# Altium PCB PCB_3U_SMA.PCBDOC (part 2 of 2) (continued)
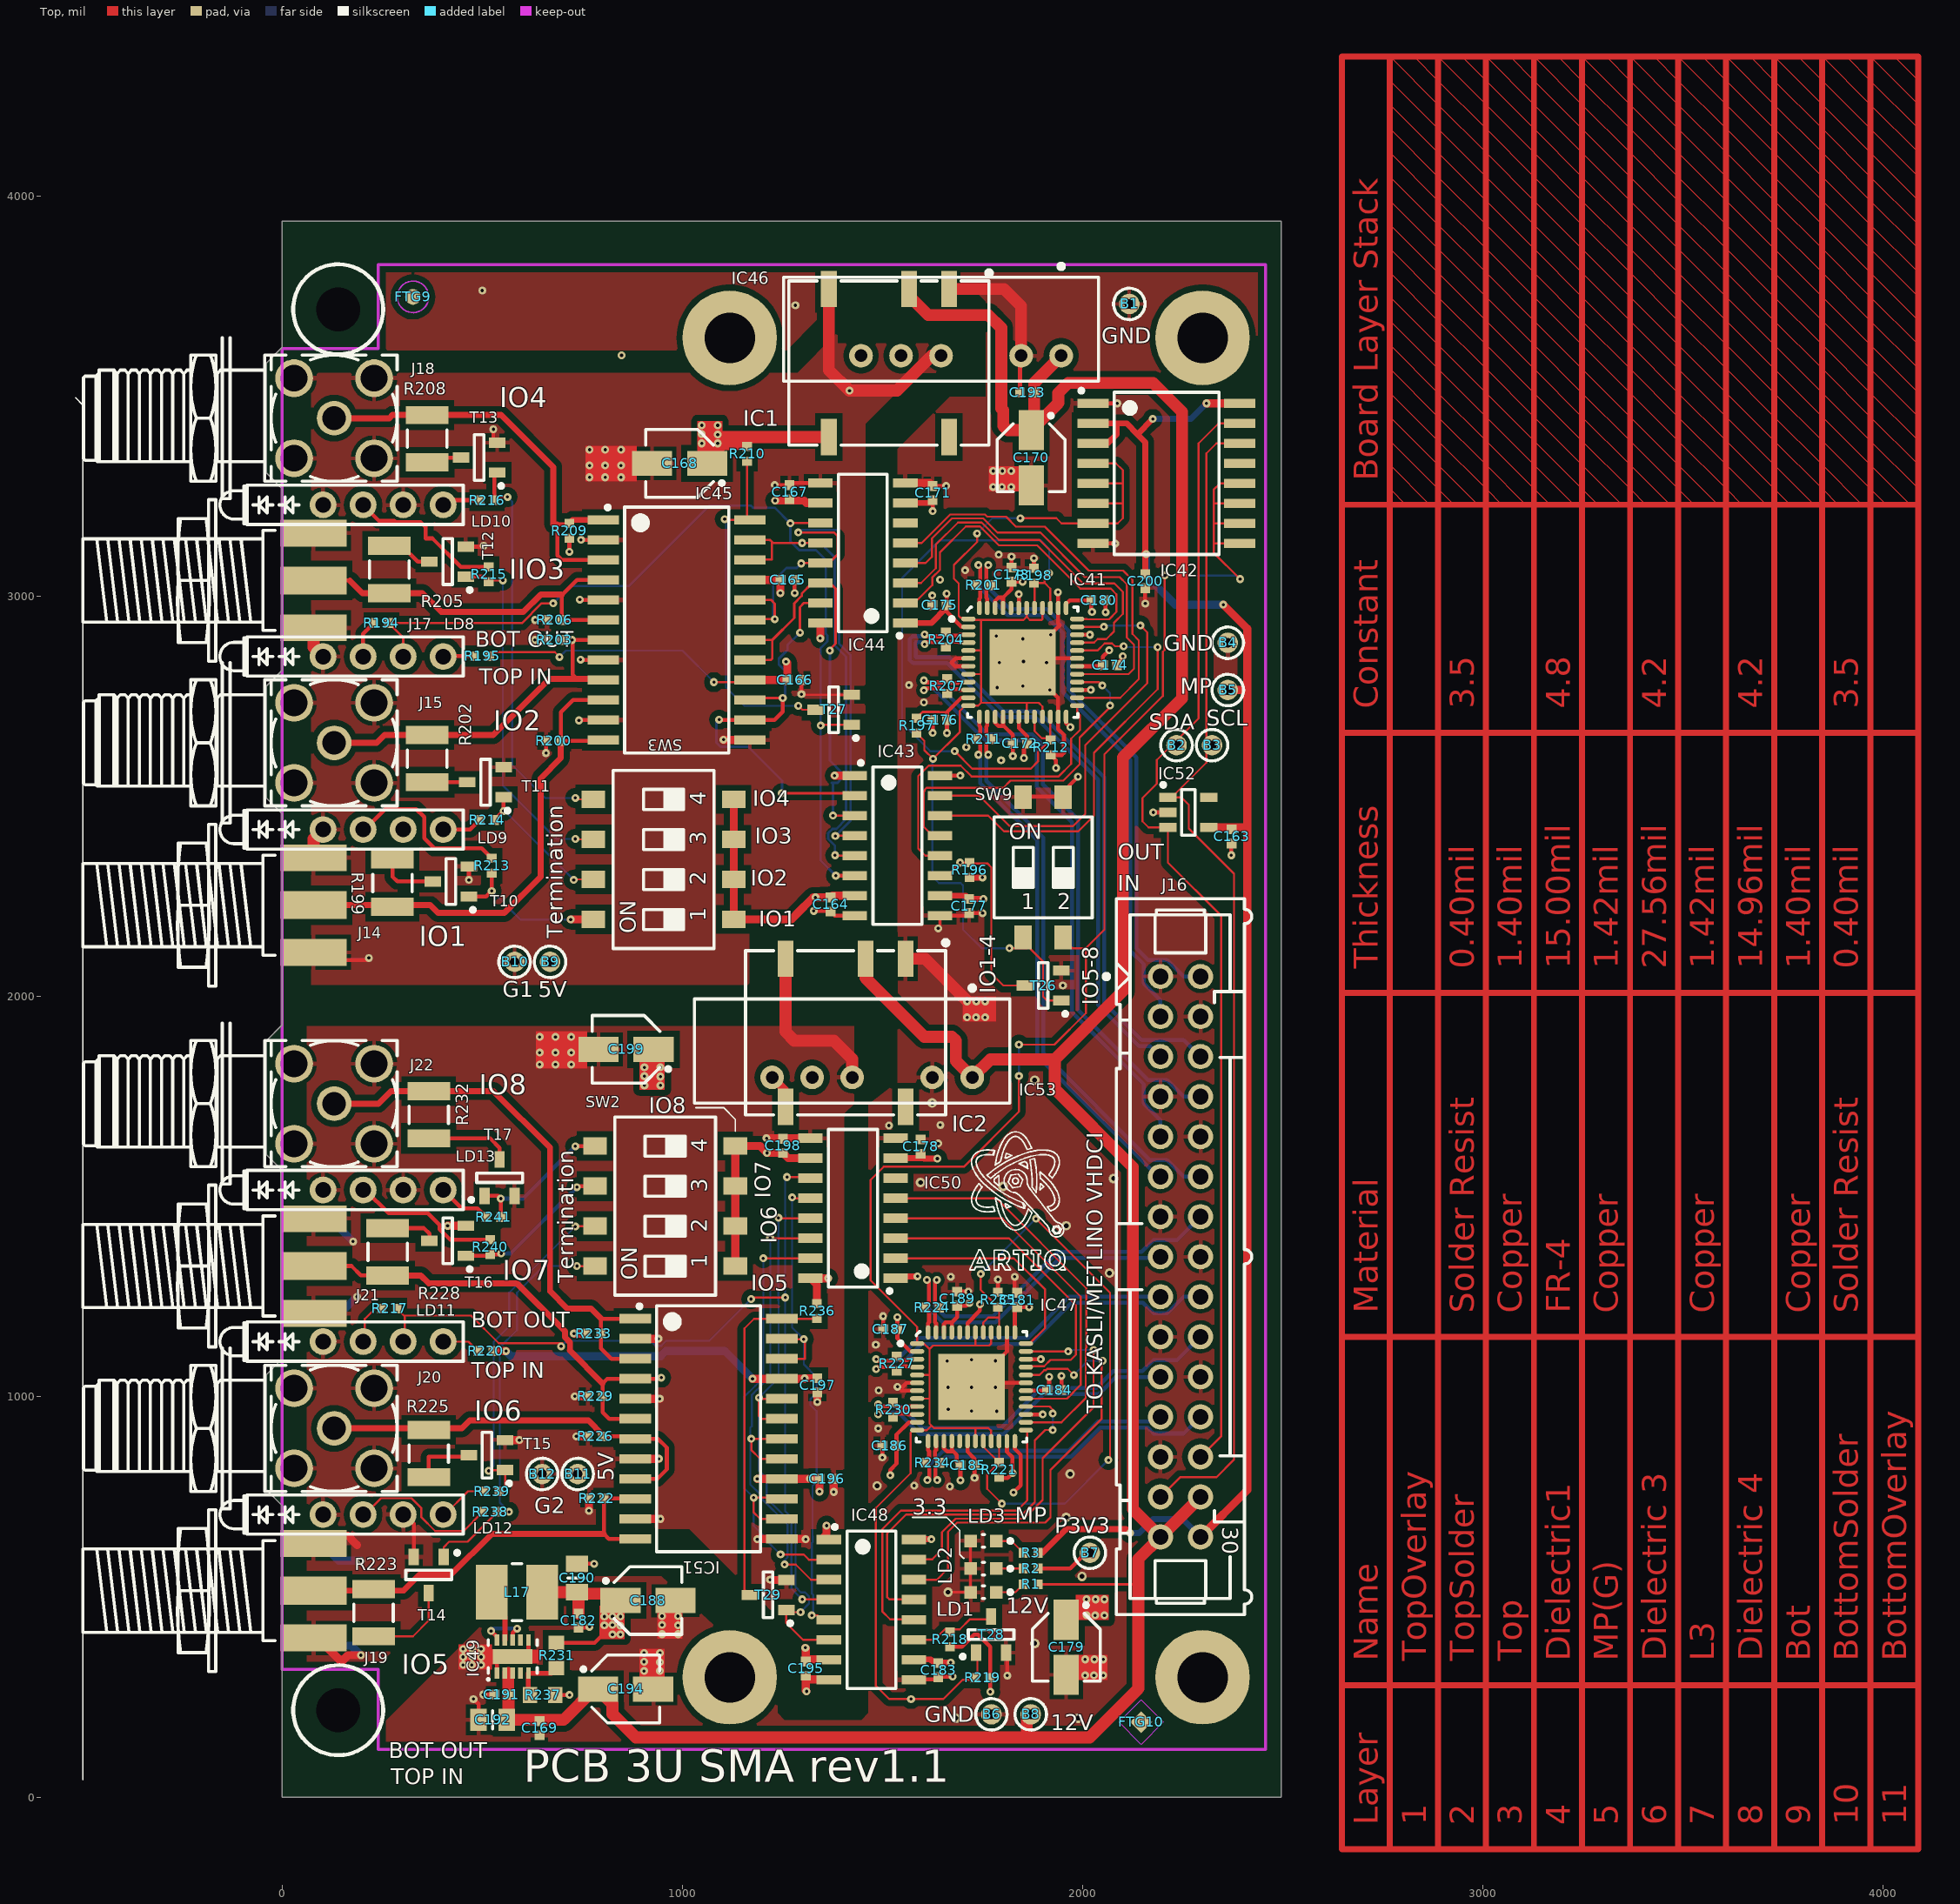
[diagram p0: Top view]
## Nets (pads, with @x,y where several pads share a name; then routed paths per layer and width w, separated by ;. In a path a pad name is that pad's centre, name@x,y a point inside that pad or via, vN(x,y) a via of type N, cw(c..) or ccw(c..) an arc to the next point about the centre after c; other vN are vias at no path point) (continued)
  Bot w15: v1(2118,659.45) 2141.23,659.45 2175.78,694 2250.01,694 J16.30@2294,650 ; v1(2175,3443) 2270,3443 v1(2309,3482)
  Bot w20: v1(2158,3105) 2158,3052 2231,2979 v1(2351,2979)
P5V0_ISO1: B9.1 C164.2 C165.2 C166.2 C167.2 C168.1 IC1.8 IC43.1 IC43.7 IC44.10 IC44.16 IC45.16 IC45.21 IC46.6 R195.1 R210.2 SW3.1 SW3.2 SW3.3 SW3.4 | length 2146.9
  Top w5: R195.1@518.5,2850.39 528.35,2860.24 681.1,2860.24 v1(692.91,2848.43) ; v1(1078.74,2785.43) 1163.18,2785.43 IC45.16@1168.59,2790.84
  Top w20: 1092.52,3366.14 1101.18,3374.8 R210.2@1161.42,3374.8 ; SW3.4@1127.95,2492.52 SW3.3@1127.95,2392.52 SW3.2@1127.95,2292.52 SW3.1@1127.95,2192.52 1272.05,2192.52 1283.59,2204.06 1283.59,2204.72 1326.58,2247.72 v1(1332.28,2247.72) C164.2@1370,2247.72 1374.28,2252 IC43.7@1430.7,2252 ; IC45.16@1164.6,2790.84 C166.2@1261.81,2790.84 1261.81,2833.56 v1(1258.53,2836.84) ; IC45.21@1166.6,3040.84 C165.2@1244.81,3040.84 1244.53,3040.56 v1(1244.53,3007.84) ; v1(1231.57,3239.15) 1303.57,3239.15 1309.57,3233.15 IC44.10@1344.28,3233.15 ; v1(1344.28,2894.85) IC44.16@1344.28,2933.15 ; v1(1380,2552) IC43.1@1430.7,2552
  Top w30: v1(1088,3382) 1103.64,3397.64 IC1.8@1365.75,3397.64
  L3 w5: v1(692.91,2848.43) v1@692.91,2850.3
  Bot w5: v1(692.91,2848.43) 708.66,2864.17 1000,2864.17 v1(1078.74,2785.43)
  other v1: 1048,3382 1088,3404 1048,3405 1048,3427 1088,3427
P5V0_ISO2: B11.1 C195.2 C196.2 C197.2 C198.2 C199.1 IC2.8 IC48.1 IC48.7 IC50.10 IC50.16 IC51.16 IC51.21 IC53.6 R220.1 R236.2 SW2.1 SW2.2 SW2.3 SW2.4 | length 1849.7
  Top w20: R220.1@526.38,1114.17 v1(559.06,1114.17) ; SW2.1@1131.89,1326.38 SW2.4@1131.89,1626.38 1194.19,1626.38 v1(1211.28,1609.28) C198.2@1251,1609.28 1264.28,1596 IC50.10@1319.7,1596 ; v1(1175,1045) IC51.21@1248.07,1045 1304,1045 v1(1305,1046) 1305.72,1046.72 C197.2@1337,1046.72 ; v1(1187,795) IC51.16@1248.07,795 v1(1318,795) ; IC53.6@1224,1798 1257.48,1764.52 IC2.8@1257.48,1724.41 ; v1(1307,373) 1308,372 C195.2@1308,344 ; C195.2@1308,338.72 C195.2@1308,344 ; v1@1322,795 C196.2@1342.28,795 v1(1342.28,763.28) ; R236.2@1336,1232.5 1336,1279.7 IC50.16@1319.7,1296 v1(1364,1296) ; IC48.7@1347.7,344 C195.2@1308,344 ; IC48.1@1347.7,644 1360,656.3 v1(1360,678)
  Bot w20: v1(559.06,1114.17) 572.09,1101.14 945.41,1101.14 958.45,1114.17 1105.83,1114.17 v1(1175,1045)
  other v1: 905,1778 945,1778 945,1800 905,1801 905,1823 945,1823
P12V0: B8.1 C169.2 C170.1 C191.2 C192.2 C193.2 C194.1 IC1.3 IC2.3 IC46.1 IC49.2 IC49.3 IC53.1 J16.28 J16.29 R1.2 | length 7713.5
  Top w6: R1.2@1888.58,531.5 1888.71,531.37 2129.03,531.37 2139,541.34
  Top w30: C192.2@555.43,193 C192.2@559.43,189 ; C191.2@565,257.28 565,310 ; C191.2@565.72,256 565.72,197.28 C192.2@561.43,193 703,193 784,274 825.1,232.9 825.1,207.9 884,149 1860.24,149 ; IC2.3@1457.48,2094.49 1457.48,2046.46 1604.33,1899.61 1673.23,1899.61 1683.07,1889.76 1683.07,1838.93 IC53.1@1724,1798 1769.1,1843.1 1930.1,1843.1 ; IC1.3@1565.75,3767.72 1565.75,3750.32 1613.62,3702.44 1764.25,3702.44 1796.47,3670.22 1796.47,3469.28 1801.18,3464.57 1801.18,3425.79 1812.07,3414.9 C170.1@1871,3414.9 C170.1@1878.72,3422.61 ; B8.1@1870.08,206.69 1860.24,196.85 1860.24,149 ; IC46.1@1946,3601 1878.72,3533.72 C193.2@1878.72,3509 C170.1@1878.72,3422.61 ; J16.28@2294,750 J16.29@2194,650 ; 1860.24,149 2017,149 2139,271 2139,541.34 2139,595 J16.29@2194,650 ; C170.1@1878.72,3422.61 1939,3482.9 1939,3508 1964,3533 2176,3533 2248,3461 2248,2745 2100,2597 2100,2013 1930.1,1843.1 ; 1930.1,1843.1 1930.1,1768.9 2125,1574 2125,719 J16.29@2194,650
TERM_IO1: R213.1 SW3.8 T10.1 | length 390.7
  Top w10: T10.1@466.54,2250 509.84,2250 v1(523.62,2263.78) R213.1@523.62,2308.27
  Top w20: v1(720.87,2192.52) SW3.8@777.56,2192.52
  Bot w5: v1(523.62,2263.78) 594.88,2192.52 v1(720.87,2192.52)
TERM_IO2: R214.1 SW3.7 T11.1 | length 362.9
  Top w5: v1(728.35,2291.34) 729.53,2292.52 SW3.7@777.56,2292.52
  Top w10: R214.1@530.31,2440.94 v1(553.15,2463.78) T11.1@553.15,2498.03
  Bot w5: v1(553.15,2463.78) 555.91,2463.78 v1(728.35,2291.34)
TERM_IO3: R215.1 SW3.6 T12.1 | length 893
  Top w5: R215.1@515.75,3036.61 518.5,3039.37 v1(551.18,3039.37) ; v1(732.28,2393.7) 733.46,2392.52 SW3.6@777.56,2392.52
  Top w10: T12.1@458.66,3049.21 503.15,3049.21 R215.1@515.75,3036.61
  Bot w5: v1(551.18,3039.37) 551.18,2527.56 685.04,2393.7 v1(732.28,2393.7)
TERM_IO4: R216.1 SW3.5 T13.1 | length 1020.4
  Top w5: R216.1@530.31,3240.16 538.19,3248.03 v1(562.99,3248.03) ; v1(732.28,2496.06) 735.83,2492.52 SW3.5@777.56,2492.52
  Top w10: R216.1@530.31,3240.16 530.31,3301.97 T13.1@537.4,3309.06
  Bot w5: v1(562.99,3248.03) 574.8,3236.22 574.8,2578.74 657.48,2496.06 v1(732.28,2496.06)
TERM_IO5: R238.1 SW2.8 T14.1 | length 1022.9
  Top w5: T14.1@403.54,600.39 403.54,624.02 417.32,637.8 463.39,637.8 R238.1@538.19,712.6 v1(566.93,712.6) ; v1(736.22,1326.77) 736.61,1326.38 SW2.8@781.5,1326.38
  Bot w5: v1(566.93,712.6) 543.7,735.83 543.7,1104.78 541.56,1106.92 541.56,1121.42 586.61,1166.48 586.61,1259.84 653.54,1326.77 v1(736.22,1326.77)
TERM_IO6: R239.1 SW2.7 T15.1 | length 851.1
  Top w5: v1(515.75,814.96) 517.72,816.93 T15.1@557.09,816.93 557.09,779.53 542.13,764.57 R239.1@542.13,763.78 ; v1(732.28,1425.2) 733.46,1426.38 SW2.7@781.5,1426.38
  Bot w5: v1(515.75,814.96) 528.54,827.75 528.54,1137.22 566.93,1175.61 566.93,1259.84 v1(732.28,1425.2)
TERM_IO7: R240.1 SW2.6 T16.1 | length 394.9
  Top w10: T16.1@458.66,1352.36 516.54,1352.36 R240.1@519.69,1355.51 544.49,1355.51 v1(547.24,1358.27) ; v1(736.22,1523.62) 738.98,1526.38 SW2.6@781.5,1526.38
  Bot w10: v1(547.24,1358.27) 570.87,1358.27 v1(736.22,1523.62)
TERM_IO8: R241.1 SW2.5 T17.1 | length 379.1
  Top w10: T17.1@505.91,1501.97 539.37,1501.97 v1(546.06,1495.27) R241.1@546.06,1448.82 ; v1(732.28,1625.98) 732.68,1626.38 SW2.5@781.5,1626.38
  Bot w10: v1(546.06,1495.27) 601.57,1495.27 v1(732.28,1625.98)
pads on no net: FTG9.FTG2 FTG10.1 FTG11.1 FTG12.1 IC1.14 IC2.14 IC41.17 IC41.44 IC42.13 IC46.5 IC47.17 IC47.44 IC49.4 IC49.7 IC52.5 IC53.5
copper on no net: | length 103141.1
  Top w1: 2766.99,3268.53 2806.67,3228.84 ; 2766.99,3328.53 2866.67,3228.84 ; 2766.99,3388.53 2886.99,3268.53 2926.67,3228.84 ; 2766.99,3448.53 2886.99,3328.53 2986.67,3228.84 ; 2766.99,3508.53 2886.99,3388.53 3006.99,3268.53 3046.67,3228.84 ; 2766.99,3568.53 2886.99,3448.53 3006.99,3328.53 3106.67,3228.84 ; 2766.99,3628.53 2886.99,3508.53 3006.99,3388.53 3126.99,3268.53 3166.67,3228.84 ; 2766.99,3688.53 2886.99,3568.53 3006.99,3448.53 3126.99,3328.53 3226.67,3228.84 ; 2766.99,3748.53 2886.99,3628.53 3006.99,3508.53 3126.99,3388.53 3246.99,3268.53 3286.67,3228.84 ; 2766.99,3808.53 2886.99,3688.53 3006.99,3568.53 3126.99,3448.53 3246.99,3328.53 3346.67,3228.84 ; 2766.99,3868.53 2886.99,3748.53 3006.99,3628.53 3126.99,3508.53 3246.99,3388.53 3366.99,3268.53 3406.67,3228.84 ; 2766.99,3928.53 2886.99,3808.53 3006.99,3688.53 3126.99,3568.53 3246.99,3448.53 3366.99,3328.53 3466.67,3228.84 ; 2766.99,3988.53 2886.99,3868.53 3006.99,3748.53 3126.99,3628.53 3246.99,3508.53 3366.99,3388.53 3486.99,3268.53 3526.67,3228.84 ; 2766.99,4048.53 2886.99,3928.53 3006.99,3808.53 3126.99,3688.53 3246.99,3568.53 3366.99,3448.53 3486.99,3328.53 3586.67,3228.84 ; 2766.99,4108.53 2886.99,3988.53 3006.99,3868.53 3126.99,3748.53 3246.99,3628.53 3366.99,3508.53 3486.99,3388.53 3606.99,3268.53 3646.67,3228.84 ; 2766.99,4168.53 2886.99,4048.53 3006.99,3928.53 3126.99,3808.53 3246.99,3688.53 3366.99,3568.53 3486.99,3448.53 3606.99,3328.53 3706.67,3228.84 ; 2766.99,4228.53 2886.99,4108.53 3006.99,3988.53 3126.99,3868.53 3246.99,3748.53 3366.99,3628.53 3486.99,3508.53 3606.99,3388.53 3726.99,3268.53 3766.67,3228.84 ; 2766.99,4288.53 2886.99,4168.53 3006.99,4048.53 3126.99,3928.53 3246.99,3808.53 3366.99,3688.53 3486.99,3568.53 3606.99,3448.53 3726.99,3328.53 3826.67,3228.84 ; 2766.99,4348.53 2886.99,4228.53 3006.99,4108.53 3126.99,3988.53 3246.99,3868.53 3366.99,3748.53 3486.99,3628.53 3606.99,3508.53 3726.99,3388.53 3846.99,3268.53 3886.67,3228.84 ; 2826.99,4348.53 2886.99,4288.53 3006.99,4168.53 3126.99,4048.53 3246.99,3928.53 3366.99,3808.53 3486.99,3688.53 3606.99,3568.53 3726.99,3448.53 3846.99,3328.53 3946.67,3228.84 ; 2886.99,4348.53 3006.99,4228.53 3126.99,4108.53 3246.99,3988.53 3366.99,3868.53 3486.99,3748.53 3606.99,3628.53 3726.99,3508.53 3846.99,3388.53 3966.99,3268.53 4006.67,3228.84 ; 2946.99,4348.53 3006.99,4288.53 3126.99,4168.53 3246.99,4048.53 3366.99,3928.53 3486.99,3808.53 3606.99,3688.53 3726.99,3568.53 3846.99,3448.53 3966.99,3328.53 4066.67,3228.84 ; 3006.99,4348.53 3126.99,4228.53 3246.99,4108.53 3366.99,3988.53 3486.99,3868.53 3606.99,3748.53 3726.99,3628.53 3846.99,3508.53 3966.99,3388.53 4086.99,3268.53 ; 3066.99,4348.53 3126.99,4288.53 3246.99,4168.53 3366.99,4048.53 3486.99,3928.53 3606.99,3808.53 3726.99,3688.53 3846.99,3568.53 3966.99,3448.53 4086.99,3328.53 ; 3126.99,4348.53 3246.99,4228.53 3366.99,4108.53 3486.99,3988.53 3606.99,3868.53 3726.99,3748.53 3846.99,3628.53 3966.99,3508.53 4086.99,3388.53 ; 3186.99,4348.53 3246.99,4288.53 3366.99,4168.53 3486.99,4048.53 3606.99,3928.53 3726.99,3808.53 3846.99,3688.53 3966.99,3568.53 4086.99,3448.53 ; 3246.99,4348.53 3366.99,4228.53 3486.99,4108.53 3606.99,3988.53 3726.99,3868.53 3846.99,3748.53 3966.99,3628.53 4086.99,3508.53 ; 3306.99,4348.53 3366.99,4288.53 3486.99,4168.53 3606.99,4048.53 3726.99,3928.53 3846.99,3808.53 3966.99,3688.53 4086.99,3568.53 ; 3366.99,4348.53 3486.99,4228.53 3606.99,4108.53 3726.99,3988.53 3846.99,3868.53 3966.99,3748.53 4086.99,3628.53 ; 3426.99,4348.53 3486.99,4288.53 3606.99,4168.53 3726.99,4048.53 3846.99,3928.53 3966.99,3808.53 4086.99,3688.53 ; 3486.99,4348.53 3606.99,4228.53 3726.99,4108.53 3846.99,3988.53 3966.99,3868.53 4086.99,3748.53 ; 3546.99,4348.53 3606.99,4288.53 3726.99,4168.53 3846.99,4048.53 3966.99,3928.53 4086.99,3808.53 ; 3606.99,4348.53 3726.99,4228.53 3846.99,4108.53 3966.99,3988.53 4086.99,3868.53 ; 3666.99,4348.53 3726.99,4288.53 3846.99,4168.53 3966.99,4048.53 4086.99,3928.53 ; 3726.99,4348.53 3846.99,4228.53 3966.99,4108.53 4086.99,3988.53 ; 3786.99,4348.53 3846.99,4288.53 3966.99,4168.53 4086.99,4048.53 ; 3846.99,4348.53 3966.99,4228.53 4086.99,4108.53 ; 3906.99,4348.53 3966.99,4288.53 4086.99,4168.53 ; 3966.99,4348.53 4086.99,4228.53 ; 4026.99,4348.53 4086.99,4288.53
  Top w15: 2646.99,279.62 4086.99,279.62 ; 2646.99,1149.38 4086.99,1149.38 ; 2646.99,2009.15 4086.99,2009.15 ; 2646.99,2658.98 4086.99,2658.98 ; 2646.99,3228.84 4086.99,3228.84 ; 2766.99,-130.3 2766.99,4348.53 ; 2886.99,-130.3 2886.99,279.62 2886.99,1149.38 2886.99,2009.15 2886.99,2658.98 2886.99,3228.84 2886.99,4348.53 ; 3006.99,-130.3 3006.99,279.62 3006.99,1149.38 3006.99,2009.15 3006.99,2658.98 3006.99,3228.84 3006.99,4348.53 ; 3126.99,-130.3 3126.99,279.62 3126.99,1149.38 3126.99,2009.15 3126.99,2658.98 3126.99,3228.84 3126.99,4348.53 ; 3246.99,-130.3 3246.99,279.62 3246.99,1149.38 3246.99,2009.15 3246.99,2658.98 3246.99,3228.84 3246.99,4348.53 ; 3366.99,-130.3 3366.99,279.62 3366.99,1149.38 3366.99,2009.15 3366.99,2658.98 3366.99,3228.84 3366.99,4348.53 ; 3486.99,-130.3 3486.99,279.62 3486.99,1149.38 3486.99,2009.15 3486.99,2658.98 3486.99,3228.84 3486.99,4348.53 ; 3606.99,-130.3 3606.99,279.62 3606.99,1149.38 3606.99,2009.15 3606.99,2658.98 3606.99,3228.84 3606.99,4348.53 ; 3726.99,-130.3 3726.99,279.62 3726.99,1149.38 3726.99,2009.15 3726.99,2658.98 3726.99,3228.84 3726.99,4348.53 ; 3846.99,-130.3 3846.99,279.62 3846.99,1149.38 3846.99,2009.15 3846.99,2658.98 3846.99,3228.84 3846.99,4348.53 ; 3966.99,-130.3 3966.99,279.62 3966.99,1149.38 3966.99,2009.15 3966.99,2658.98 3966.99,3228.84 3966.99,4348.53 ; 4086.99,279.62 4086.99,1149.38 ; 4086.99,279.62 4086.99,-130.3 2646.99,-130.3 2646.99,4348.53 4086.99,4348.53 4086.99,3228.84 ; 4086.99,1149.38 4086.99,2009.15 ; 4086.99,2009.15 4086.99,2658.98 ; 4086.99,2658.98 4086.99,3228.84

## Polygon pours and split planes (outlines as drawn)
GND_ISO2 on Top "MidLayer1-No Net" (solid, remove dead copper, pour order 10): 61.8,1926.23 1428.52,1926.23 1428.52,1731.95 1403.8,1707.23 1403.8,254.23 1295.8,254.23 1295.8,391.23 1016.8,670.23 581.65,670.23 187.01,275.59 61.8,275.59
GND_ISO1 on Top "TopLayer-No Net" (solid, remove dead copper, pour order 18): 291,3558 1287,3558 1431,3702 1698,3702 1698,3558 1584,3558 1456.69,3430.69 1456.69,2029 73,2029 73,3340 73,3558
GND on Top "MidLayer1-No Net" (solid, remove dead copper, pour order 14): 1537,1987 1537,3367.71 1667.29,3498 1758,3498 1758,3818 2456.69,3818 2456.69,119 240,119 240,171.1 676.9,608 688.98,608 695.88,551.18 947.2,551.18 1237,281.96 1237,210 1255,192 1447,192 1465,210 1465,1730 1537,1785.99
GND on Top "TopLayer-No Net" (solid, remove dead copper, pour order 26): 1407,3762 1260,3615 245,3615 245,3815 1793,3815 1793,3717 1758,3717 1758,3736 1732,3762
P5V0_ISO2 on L3 "L3-No Net" (solid, remove dead copper, pour order 36): 1456.69,1929.13 1456.69,1751.97 1427.17,1722.44 1397.64,1692.91 1397.64,1604.33 1397.64,255.91 1299.21,255.91 1299.21,383.86 1250,433.07 1013.78,669.29 748.03,669.29 561.02,669.29 423.23,531.5 157.48,265.75 0,265.75 0,728.35 -39.37,767.72 -43.31,767.72 -43.31,1049.21 -39.37,1053.15 -3.74,1088.78 -3.74,1092.52 -3.74,1568.7 -29.53,1594.49 -43.31,1608.27 -43.31,1889.76 -39.37,1889.76 0,1929.13 1456.69,1929.13
P5V0_ISO1 on L3 "L3-No Net" (solid, remove dead copper, pour order 34): 1446.85,3425.2 1446.85,2027.56 669.29,2027.56 0,2027.56 -3.74,2031.3 -3.74,2391.73 -3.74,2464.37 -39.37,2500 -39.37,2775.59 -39.37,2785.43 0,2824.8 0,3267.72 0,3268.7 -43.31,3312.01 -43.31,3582.68 -39.37,3582.68 0,3622.05 177.17,3622.05 216.54,3622.05 255.91,3582.68 275.59,3562.99 413.39,3562.99 570.87,3562.99 669.29,3464.57 697.53,3436.33 856.3,3436.33 1202.08,3436.33 1289.37,3523.62 1466.54,3700.79 1515.75,3700.79 1692.91,3700.79 1692.91,3553.15 1574.8,3553.15
P3V3 on L3 "L3-No Net" (solid, remove dead copper, pour order 28): 3.09,3643.88 604.42,3643.88 706.78,3541.52 746.15,3502.15 1066.08,3502.15 1144.82,3502.15 1381.04,3738.37 1400.73,3758.06 1636.95,3758.06 1735.37,3758.06 1755.06,3738.37 1755.06,3600.58 1755.06,3521.84 1735.37,3502.15 1676.32,3502.15 1617.26,3502.15 1577.89,3462.78 1538.52,3423.41 1538.52,3364.36 1538.52,1750.18 1499.15,1710.81 1479.47,1691.13 1479.47,1592.7 1479.47,214.75 1459.78,195.07 1420.41,195.07 1282.62,195.07 1262.93,214.75 1223.56,254.12 1223.56,273.81 1223.56,391.92 1125.14,490.34 1007.03,608.45 888.92,608.45 605.45,608.45 566.08,569.08 192.07,195.07 3.09,195.07 3.09,-1.78 2503.09,-1.78 2503.09,3935.22 3.09,3935.22
GND_ISO1 on Bot "TopLayer-No Net" (solid, remove dead copper, pour order 40): 315.92,3559.71 1311.92,3559.71 1455.92,3703.71 1722.92,3703.71 1722.92,3559.71 1608.92,3559.71 1476.38,3427.16 1476.38,2030.71 97.92,2030.71 97.92,3341.71 97.92,3559.71
GND_ISO2 on Bot "MidLayer1-No Net" (solid, remove dead copper, pour order 38): 86.72,1927.94 1453.45,1927.94 1453.45,1733.66 1428.72,1708.94 1428.72,255.94 1320.72,255.94 1320.72,392.94 1041.72,671.94 606.57,671.94 211.93,277.3 86.72,277.3
GND on Bot "MidLayer1-No Net" (solid, remove dead copper, pour order 42): 1561.92,1988.71 1561.92,3427.71 1633.92,3499.71 1782.92,3499.71 1782.92,3819.71 2481.62,3819.71 2481.62,120.71 264.92,120.71 264.92,172.81 701.82,609.71 713.9,609.71 720.81,552.89 972.12,552.89 1261.92,283.67 1261.92,211.71 1279.92,193.71 1471.92,193.71 1489.92,211.71 1489.92,1731.71 1561.92,1787.7
no net on Bot "TopLayer-No Net" (solid, remove dead copper, pour order 44): 1431.92,3763.71 1284.92,3616.71 269.92,3616.71 269.92,3816.71 1817.92,3816.71 1817.92,3718.71 1782.92,3718.71 1782.92,3737.71 1756.92,3763.71
GND_ISO1 on MP(G) (split plane): 1698.38,3557.62 1628.4,3557.62 1628.39,3557.62 1623.76,3557.25 1619.24,3556.17 1617.98,3555.65 1614.95,3554.39 1610.98,3551.96 1607.45,3548.94 1425.91,3367.4 1422.89,3363.87 1420.46,3359.9 1419.2,3356.87 1418.68,3355.61 1417.6,3351.09 1417.23,3346.46 1417.23,2826.99 1417.6,2822.36 1418.68,2817.84 1419.2,2816.58 1420.46,2813.55 1422.89,2809.58 1425.91,2806.05 1477.38,2754.57 1477.38,2028.62 20.1,2028.62 20.1,2456.69 19.71,2460.61 18.57,2464.38 16.71,2467.86 14.21,2470.9 -19.27,2504.39 -19.27,2767.27 14.21,2800.75 16.71,2803.8 18.57,2807.27 19.71,2811.04 20.1,2814.96 20.1,3268.7 19.71,3272.62 18.57,3276.39 16.71,3279.87 14.21,3282.91 -19.27,3316.4 -19.27,3574.35 14.21,3607.84 16.71,3610.88 18.57,3614.36 19.08,3616.05 589.06,3616.05 731.06,3474.06 734.59,3471.04 736.1,3470.12 738.55,3468.61 741.59,3467.35 742.85,3466.83 743.72,3466.62 747.37,3465.75 752,3465.38 1182,3465.38 1186.63,3465.75 1191.15,3466.83 1192.41,3467.35 1195.45,3468.61 1199.41,3471.04 1202.94,3474.06 1431.27,3702.38 1698.38,3702.38
GND on MP(G) (split plane): 2475.97,20.1 20.1,20.1 20.1,206.6 196.85,206.6 201.48,206.97 206,208.05 207.26,208.57 210.3,209.83 214.26,212.26 217.79,215.28 493.38,490.87 496.4,494.4 498.83,498.36 499.72,500.51 500.61,502.66 501.69,507.18 502.06,511.81 502.06,519.23 591.21,608.38 993.73,608.38 1237.38,364.73 1237.38,222 1237.75,217.37 1238.83,212.85 1240.61,208.55 1243.04,204.59 1246.06,201.06 1249.59,198.04 1253.55,195.61 1257.85,193.83 1262.37,192.75 1267,192.38 1435,192.38 1439.63,192.75 1444.15,193.83 1448.45,195.61 1452.41,198.04 1455.94,201.06 1458.96,204.59 1461.39,208.55 1463.17,212.85 1464.25,217.37 1464.62,222 1464.62,714.08 1464.62,1324.31 1464.62,1681.73 1507.16,1724.28 1510.18,1727.81 1512.61,1731.77 1513.5,1733.92 1514.39,1736.07 1515.47,1740.59 1515.84,1745.22 1515.84,1954 1515.47,1958.63 1514.39,1963.15 1512.61,1967.45 1511.22,1969.71 1511.63,1969.75 1516.15,1970.83 1520.45,1972.61 1524.41,1975.04 1527.94,1978.06 1530.96,1981.59 1533.39,1985.55 1535.17,1989.85 1536.25,1994.37 1536.62,1999 1536.62,2766.84 1536.25,2771.48 1535.38,2775.12 1535.17,2776 1534.65,2777.25 1533.39,2780.29 1531.88,2782.75 1530.96,2784.25 1527.94,2787.79 1476.47,2839.26 1476.47,3334.19 1640.66,3498.38 1728,3498.38 1732.63,3498.75 1737.15,3499.83 1741.45,3501.61 1745.41,3504.04 1748.94,3507.06 1751.96,3510.59 1754.39,3514.55 1756.17,3518.85 1757.25,3523.37 1757.62,3528 1757.62,3724 1757.25,3728.63 1756.17,3733.15 1754.39,3737.45 1751.96,3741.41 1748.94,3744.94 1745.41,3747.96 1744.51,3748.51 1743.96,3749.41 1740.94,3752.94 1737.41,3755.96 1733.45,3758.39 1729.15,3760.17 1724.63,3761.25 1720,3761.62 1419,3761.62 1414.37,3761.25 1409.85,3760.17 1407.7,3759.28 1405.55,3758.39 1401.59,3755.96 1398.06,3752.94 1169.73,3524.62 764.27,3524.62 622.27,3666.61 618.74,3669.63 614.78,3672.06 611.74,3673.32 610.48,3673.84 605.96,3674.92 601.33,3675.29 20.1,3675.29 20.1,3916.9 2475.97,3916.9
GND_ISO2 on MP(G) (split plane): 1456.6,1757.49 1414.06,1714.94 1411.04,1711.41 1408.61,1707.45 1407.35,1704.41 1406.83,1703.15 1405.75,1698.63 1405.38,1694 1405.38,1324.31 1405.38,714.08 1405.38,251.62 1296.62,251.62 1296.62,377 1296.25,381.63 1295.17,386.15 1293.39,390.45 1290.96,394.41 1287.94,397.94 1026.94,658.94 1023.41,661.96 1019.45,664.39 1016.41,665.65 1015.15,666.17 1010.63,667.25 1006,667.62 578.95,667.62 578.94,667.62 574.31,667.25 569.79,666.17 568.53,665.65 565.5,664.39 561.54,661.96 558,658.94 451.5,552.44 448.48,548.91 446.05,544.94 444.79,541.91 444.27,540.65 443.19,536.13 442.82,531.5 442.82,531.49 442.82,524.08 184.58,265.84 20.1,265.84 20.1,728.35 19.71,732.27 18.57,736.04 16.71,739.51 14.21,742.56 -19.27,776.04 -19.27,1046.79 10.47,1076.54 12.97,1079.58 14.83,1083.06 15.97,1086.83 16.36,1090.75 16.36,1569.48 15.97,1573.4 14.83,1577.17 12.97,1580.64 10.47,1583.69 -19.27,1613.43 -19.27,1881.44 14.21,1914.92 16.71,1917.97 18.57,1921.44 19.46,1924.38 1456.6,1924.38

## Keep-outs
KeepOutLayer:
  lines w8: 0,319 240,319 240,119 2456.69,119 2456.69,3828.74 240,3828.74 240,3619 0,3619 0,319

## Other copper
Top:
  rectangle net GND: 603,334 641,368
  region net GND: 524,382 441,382 441,319 524,319
  rectangle net GND: 496,332 536,370
  region net P5V0_ISO2: 893,1850 893,1767 956,1767 956,1850
  region net P5V0_ISO1: 1100,3355 1100,3438 1037,3438 1037,3355
  region net GND: 1848,3325 1765,3325 1765,3262 1848,3262
  region net GND: 1783,2000 1700,2000 1700,1937 1783,1937
  rectangle net GND: 1979,292 2062,355
  rectangle net P3V3: 1982,442 2065,505
  region net P3V3: 793,478 793,395 856,395 856,478
  region net GND: 956,288 956,371 893,371 893,288
  region net GND: 937,479 937,396 1000,396 1000,479
  rectangle net GND_ISO2: 633.61,1820.43 761.57,1913
  rectangle net GND_ISO1: 757.87,3287.4 885.83,3375.98
  pour cut-out: 1712.6,3631.89 1387.8,3631.89 1387.8,3710.63 1712.6,3710.63
  pour cut-out: 1167.32,2031.5 1167.32,2171.26 1200.79,2204.72 1203.51,2202 1497.14,2202 1538.52,2160.61 1538.52,1981.68 1495.82,1938.98 1181.1,1938.98 1181.1,2017.72
  text "Board Layer Stack" at 2736.99,3288.84 h60 r90
  text "Constant" at 2736.99,2718.98 h60 r90
  text "3.5" at 2976.99,2718.98 h60 r90
  text "4.8" at 3216.99,2718.98 h60 r90
  text "4.2" at 3456.99,2718.98 h60 r90
  text "4.2" at 3696.99,2718.98 h60 r90
  text "3.5" at 3936.99,2718.98 h60 r90
  text "Thickness" at 2736.99,2069.15 h60 r90
  text "0.40mil" at 2976.99,2069.15 h60 r90
  text "1.40mil" at 3096.99,2069.15 h60 r90
  text "15.00mil" at 3216.99,2069.15 h60 r90
  text "1.42mil" at 3336.99,2069.15 h60 r90
  text "27.56mil" at 3456.99,2069.15 h60 r90
  text "1.42mil" at 3576.99,2069.15 h60 r90
  text "14.96mil" at 3696.99,2069.15 h60 r90
  text "1.40mil" at 3816.99,2069.15 h60 r90
  text "0.40mil" at 3936.99,2069.15 h60 r90
  text "Material" at 2736.99,1209.38 h60 r90
  text "Solder Resist" at 2976.99,1209.38 h60 r90
  text "Copper" at 3096.99,1209.38 h60 r90
  text "FR-4" at 3216.99,1209.38 h60 r90
  text "Copper" at 3336.99,1209.38 h60 r90
  text "Copper" at 3576.99,1209.38 h60 r90
  text "Copper" at 3816.99,1209.38 h60 r90
  text "Solder Resist" at 3936.99,1209.38 h60 r90
  text "Name" at 2736.99,339.62 h60 r90
  text "TopOverlay" at 2856.99,339.62 h60 r90
  text "TopSolder" at 2976.99,339.62 h60 r90
  text "Top" at 3096.99,339.62 h60 r90
  text "Dielectric1" at 3216.99,339.62 h60 r90
  text "MP(G)" at 3336.99,339.62 h60 r90
  text "Dielectric 3" at 3456.99,339.62 h60 r90
  text "L3" at 3576.99,339.62 h60 r90
  text "Dielectric 4" at 3696.99,339.62 h60 r90
  text "Bot" at 3816.99,339.62 h60 r90
  text "BottomSolder" at 3936.99,339.62 h60 r90
  text "BottomOverlay" at 4056.99,339.62 h60 r90
  text "Layer" at 2736.99,-70.3 h60 r90
  text "1" at 2856.99,-70.3 h60 r90
  text "2" at 2976.99,-70.3 h60 r90
  text "3" at 3096.99,-70.3 h60 r90
  text "4" at 3216.99,-70.3 h60 r90
  text "5" at 3336.99,-70.3 h60 r90
  text "6" at 3456.99,-70.3 h60 r90
  text "7" at 3576.99,-70.3 h60 r90
  text "8" at 3696.99,-70.3 h60 r90
  text "9" at 3816.99,-70.3 h60 r90
  text "10" at 3936.99,-70.3 h60 r90
  text "11" at 4056.99,-70.3 h60 r90
MP(G) (plane layer: these items are gaps in the copper):
  lines w59.06: -11.81,236.22 196.85,236.22 472.44,511.81 472.44,531.5 578.94,638 1006,638 1267,377 1267,222 1435,222 1435,714.08 1435,1324.31 1435,1694 1486.22,1745.22 1486.22,1954 -11.81,1954 ; -11.81,1999 434,1999 1507,1999 1507,2766.84 1446.85,2826.99 1446.85,3346.46 1628.39,3528 1728,3528 1728,3724 ; -11.81,3645.67 601.33,3645.67 752,3495 1182,3495 1419,3732 1720,3732

## Silkscreen, mask and mechanical layers (free items; w line width, h text height)
TopOverlay:
  drawing of 1227 lines, arcs and shapes, not listed
  text "GND" at 2047.24,3631.89 h39.37
  text "IO4" at 543.31,3472.44 h50
  text "IIO3" at 566.93,3043.31 h50
  text "BOT OUT" at 482.28,2874.02 h40
  text "GND" at 2202.17,2863.65 h39.37
  text "TOP IN" at 492.13,2779.53 h40
  text "MP" at 2244.09,2755.91 h39.37
  text "SCL" at 2309,2677.17 h39.37
  text "SDA" at 2165.35,2667.32 h39.37
  text "IO2" at 527.56,2665.35 h50
  text "IO4" at 1176,2476 h40
  text "IO3" at 1181,2382 h40
  text "OUT" at 2086.61,2342.52 h40
  text "IO2" at 1170,2277 h40
  text "IN" at 2086.61,2263.78 h40
  text "IO1" at 1190.94,2175.2 h40
  text "Termination" at 700.79,2145.67 h40 r90
  text "IO1" at 342.52,2125.98 h50
  text "IO1-4" at 1781.5,2007.87 h40 r90
  text "G1" at 551.18,1999 h39.37
  text "5V" at 639.76,1999 h39.37
  text "IO5-8" at 2038.13,1978.66 h40 r90
  text "IO8" at 492.13,1755.91 h50
  text "IO8" at 915.35,1708.66 h40
  text "IO7" at 1220.47,1496.06 h40 r90
  text "IO6" at 1235,1383 h40 r90
  text "IO7" at 551.18,1291.34 h50
  text "Termination" at 728.35,1283.46 h40 r90
  text "IO5" at 1171,1265 h40
  text "BOT OUT" at 472.44,1173.23 h40
  text "TOP IN" at 472.44,1047.24 h40
  text "TO KASLI/METLINO VHDCI" at 2049,958 h40 r90
  text "IO6" at 480.31,940.94 h50
  text "5V" at 827.56,789.13 h39.37 r90
  text "G2" at 629.92,708.66 h39.37
  text "3.3" at 1574.8,705.66 h39.37
  text "MP" at 1830.71,685.66 h39.37
  text "P3V3" at 1929.13,659.45 h39.37
  text "12V" at 1807.68,459.51 h39.37
  text "IO5" at 299.21,307.09 h50
  text "GND" at 1604.33,187.01 h39.37
  text "12V" at 1919.29,167.32 h39.37
  text "BOT OUT" at 266,97 h40
  text "PCB 3U SMA rev1.1" at 603,38 h80
  text "TOP IN" at 271,32 h40
BottomOverlay:
  drawing of 1216 lines, arcs and shapes, not listed
  text "PCB 3U SMA rev1.1" at 1918,34 h80
Mechanical1:
  the board outline again, w3.94
Mechanical4:
  lines w1.97: -100.16,-560.56 -100.16,4066.69

## Text inside footprints (layer, text, board x,y; h text height)
IC46: Mechanical14 "6" at 1415.17,3685.92 h59.06 r270; Mechanical14 "1" at 1916.47,3680.92 h59.06 r270
IC53: Mechanical14 "6" at 1193.17,1882.92 h59.06 r270; Mechanical14 "1" at 1694.47,1877.92 h59.06 r270
J16: TopOverlay "30" at 2349,675 h40 r270; Mechanical14 "30" at 2349,675 h40 r270
SW2: TopOverlay "4" at 1061.69,1611.38 h39.37 r90; TopOverlay "3" at 1061.69,1511.38 h39.37 r90; TopOverlay "ON" at 886.69,1291.38 h39.37 r90; TopOverlay "2" at 1061.69,1411.38 h39.37 r90; TopOverlay "1" at 1061.69,1321.38 h39.37 r90; Mechanical14 "4" at 1061.69,1611.38 h39.37 r90; Mechanical14 "3" at 1061.69,1511.38 h39.37 r90; Mechanical14 "ON" at 886.69,1291.38 h39.37 r90; Mechanical14 "2" at 1061.69,1411.38 h39.37 r90; Mechanical14 "1" at 1061.69,1321.38 h39.37 r90
SW3: TopOverlay "4" at 1057.76,2477.52 h39.37 r90; TopOverlay "3" at 1057.76,2377.52 h39.37 r90; TopOverlay "ON" at 882.76,2157.52 h39.37 r90; TopOverlay "2" at 1057.76,2277.52 h39.37 r90; TopOverlay "1" at 1057.76,2187.52 h39.37 r90; Mechanical14 "4" at 1057.76,2477.52 h39.37 r90; Mechanical14 "3" at 1057.76,2377.52 h39.37 r90; Mechanical14 "ON" at 882.76,2157.52 h39.37 r90; Mechanical14 "2" at 1057.76,2277.52 h39.37 r90; Mechanical14 "1" at 1057.76,2187.52 h39.37 r90
SW9: TopOverlay "ON" at 1816,2392.83 h39.37; TopOverlay "2" at 1936,2217.83 h39.37; TopOverlay "1" at 1846,2217.83 h39.37; Mechanical14 "ON" at 1816,2392.83 h39.37; Mechanical14 "2" at 1936,2217.83 h39.37; Mechanical14 "1" at 1846,2217.83 h39.37